# KiCad board demo_matrix2.kicad_pcb (continued)
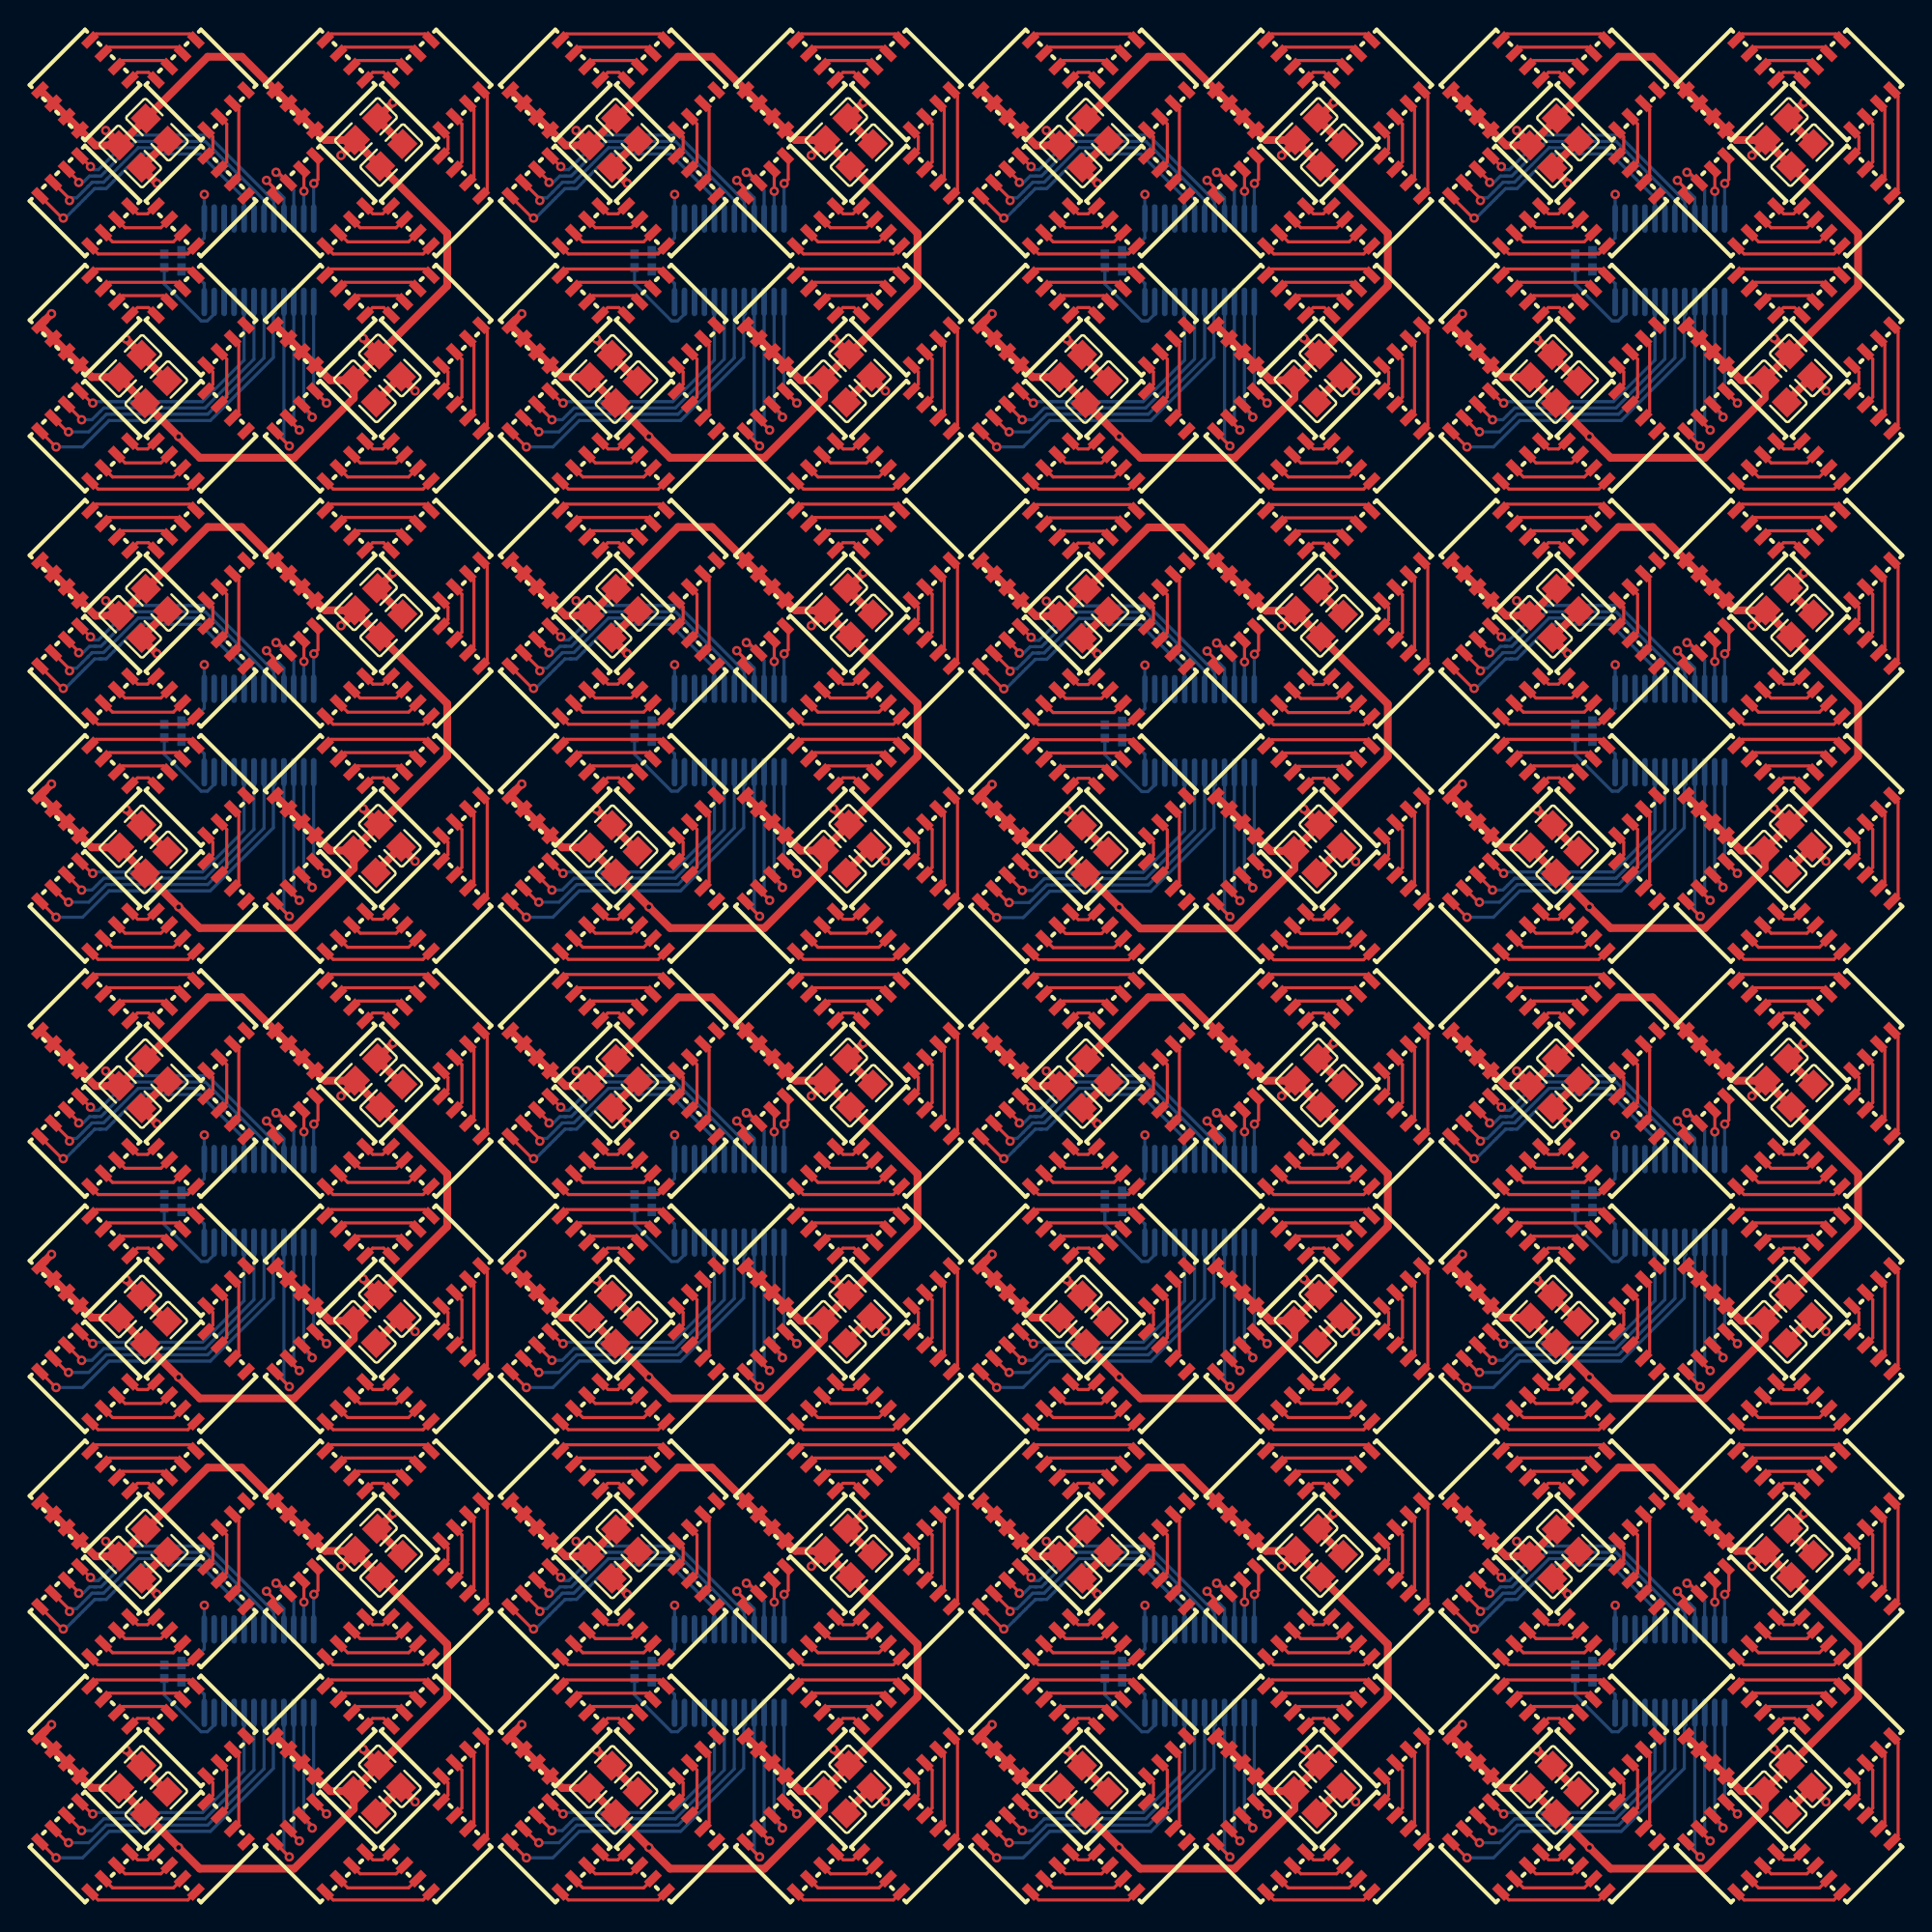
[diagram p0: board, top side]
## Nets (continued)
rgbs[3]-cathodes-cathode-88: LED228.5 U71.7
rgbs[3]-cathodes-cathode-89: LED228.7 U71.8
rgbs[3]-cathodes-cathode-90: LED232.1 U71.9
rgbs[3]-cathodes-cathode-91: LED232.3 U71.10
rgbs[3]-cathodes-cathode-92: LED232.5 U71.11
rgbs[3]-cathodes-cathode-93: LED232.7 U71.12
rgbs[3]-cathodes-cathode-94: LED240.7 U71.13
rgbs[3]-cathodes-cathode-95: LED240.5 U71.14
rgbs[3]-cathodes-cathode-96: LED244.1 U76.5
rgbs[3]-cathodes-cathode-97: LED256.3 U76.15
rgbs[3]-cathodes-cathode-98: LED256.1 U76.16
rgbs[3]-cathodes-cathode-99: LED252.1 U76.17
rgbs[3]-cathodes-cathode-100: LED252.3 U76.18
rgbs[3]-cathodes-cathode-101: LED252.5 U76.19
rgbs[3]-cathodes-cathode-102: LED252.7 U76.20
rgbs[3]-cathodes-cathode-103: LED244.3 U76.6
rgbs[3]-cathodes-cathode-104: LED244.5 U76.7
rgbs[3]-cathodes-cathode-105: LED244.7 U76.8
rgbs[3]-cathodes-cathode-106: LED248.1 U76.9
rgbs[3]-cathodes-cathode-107: LED248.3 U76.10
rgbs[3]-cathodes-cathode-108: LED248.5 U76.11
rgbs[3]-cathodes-cathode-109: LED248.7 U76.12
rgbs[3]-cathodes-cathode-110: LED256.7 U76.13
rgbs[3]-cathodes-cathode-111: LED256.5 U76.14
rgbs[3]-cathodes-cathode-112: LED20.1 U6.5
rgbs[3]-cathodes-cathode-113: LED32.3 U6.15
rgbs[3]-cathodes-cathode-114: LED32.1 U6.16
rgbs[3]-cathodes-cathode-115: LED28.1 U6.17
rgbs[3]-cathodes-cathode-116: LED28.3 U6.18
rgbs[3]-cathodes-cathode-117: LED28.5 U6.19
rgbs[3]-cathodes-cathode-118: LED28.7 U6.20
rgbs[3]-cathodes-cathode-119: LED20.3 U6.6
rgbs[3]-cathodes-cathode-120: LED20.5 U6.7
rgbs[3]-cathodes-cathode-121: LED20.7 U6.8
rgbs[3]-cathodes-cathode-122: LED24.1 U6.9
rgbs[3]-cathodes-cathode-123: LED24.3 U6.10
rgbs[3]-cathodes-cathode-124: LED24.5 U6.11
rgbs[3]-cathodes-cathode-125: LED24.7 U6.12
rgbs[3]-cathodes-cathode-126: LED32.7 U6.13
rgbs[3]-cathodes-cathode-127: LED32.5 U6.14
rgbs[3]-cathodes-cathode-128: LED36.1 U11.5
rgbs[3]-cathodes-cathode-129: LED48.3 U11.15
rgbs[3]-cathodes-cathode-130: LED48.1 U11.16
rgbs[3]-cathodes-cathode-131: LED44.1 U11.17
rgbs[3]-cathodes-cathode-132: LED44.3 U11.18
rgbs[3]-cathodes-cathode-133: LED44.5 U11.19
rgbs[3]-cathodes-cathode-134: LED44.7 U11.20
rgbs[3]-cathodes-cathode-135: LED36.3 U11.6
rgbs[3]-cathodes-cathode-136: LED36.5 U11.7
rgbs[3]-cathodes-cathode-137: LED36.7 U11.8
rgbs[3]-cathodes-cathode-138: LED40.1 U11.9
rgbs[3]-cathodes-cathode-139: LED40.3 U11.10
rgbs[3]-cathodes-cathode-140: LED40.5 U11.11
rgbs[3]-cathodes-cathode-141: LED40.7 U11.12
rgbs[3]-cathodes-cathode-142: LED48.7 U11.13
rgbs[3]-cathodes-cathode-143: LED48.5 U11.14
rgbs[3]-cathodes-cathode-144: LED52.1 U16.5
rgbs[3]-cathodes-cathode-145: LED64.3 U16.15
rgbs[3]-cathodes-cathode-146: LED64.1 U16.16
rgbs[3]-cathodes-cathode-147: LED60.1 U16.17
rgbs[3]-cathodes-cathode-148: LED60.3 U16.18
rgbs[3]-cathodes-cathode-149: LED60.5 U16.19
rgbs[3]-cathodes-cathode-150: LED60.7 U16.20
rgbs[3]-cathodes-cathode-151: LED52.3 U16.6
rgbs[3]-cathodes-cathode-152: LED52.5 U16.7
rgbs[3]-cathodes-cathode-153: LED52.7 U16.8
rgbs[3]-cathodes-cathode-154: LED56.1 U16.9
rgbs[3]-cathodes-cathode-155: LED56.3 U16.10
rgbs[3]-cathodes-cathode-156: LED56.5 U16.11
rgbs[3]-cathodes-cathode-157: LED56.7 U16.12
rgbs[3]-cathodes-cathode-158: LED64.7 U16.13
rgbs[3]-cathodes-cathode-159: LED64.5 U16.14
rgbs[3]-cathodes-cathode-160: LED68.1 U21.5
rgbs[3]-cathodes-cathode-161: LED80.3 U21.15
rgbs[3]-cathodes-cathode-162: LED80.1 U21.16
rgbs[3]-cathodes-cathode-163: LED76.1 U21.17
rgbs[3]-cathodes-cathode-164: LED76.3 U21.18
rgbs[3]-cathodes-cathode-165: LED76.5 U21.19
rgbs[3]-cathodes-cathode-166: LED76.7 U21.20
rgbs[3]-cathodes-cathode-167: LED68.3 U21.6
rgbs[3]-cathodes-cathode-168: LED68.5 U21.7
rgbs[3]-cathodes-cathode-169: LED68.7 U21.8
rgbs[3]-cathodes-cathode-170: LED72.1 U21.9
rgbs[3]-cathodes-cathode-171: LED72.3 U21.10
rgbs[3]-cathodes-cathode-172: LED72.5 U21.11
rgbs[3]-cathodes-cathode-173: LED72.7 U21.12
rgbs[3]-cathodes-cathode-174: LED80.7 U21.13
rgbs[3]-cathodes-cathode-175: LED80.5 U21.14
rgbs[3]-cathodes-cathode-176: LED84.1 U26.5
rgbs[3]-cathodes-cathode-177: LED96.3 U26.15
rgbs[3]-cathodes-cathode-178: LED96.1 U26.16
rgbs[3]-cathodes-cathode-179: LED92.1 U26.17
rgbs[3]-cathodes-cathode-180: LED92.3 U26.18
rgbs[3]-cathodes-cathode-181: LED92.5 U26.19
rgbs[3]-cathodes-cathode-182: LED92.7 U26.20
rgbs[3]-cathodes-cathode-183: LED84.3 U26.6
rgbs[3]-cathodes-cathode-184: LED84.5 U26.7
rgbs[3]-cathodes-cathode-185: LED84.7 U26.8
rgbs[3]-cathodes-cathode-186: LED88.1 U26.9
rgbs[3]-cathodes-cathode-187: LED88.3 U26.10
rgbs[3]-cathodes-cathode-188: LED88.5 U26.11
rgbs[3]-cathodes-cathode-189: LED88.7 U26.12
rgbs[3]-cathodes-cathode-190: LED96.7 U26.13
rgbs[3]-cathodes-cathode-191: LED96.5 U26.14
rgbs[3]-cathodes-cathode-192: LED100.1 U31.5
rgbs[3]-cathodes-cathode-193: LED112.3 U31.15
rgbs[3]-cathodes-cathode-194: LED112.1 U31.16
rgbs[3]-cathodes-cathode-195: LED108.1 U31.17
rgbs[3]-cathodes-cathode-196: LED108.3 U31.18
rgbs[3]-cathodes-cathode-197: LED108.5 U31.19
rgbs[3]-cathodes-cathode-198: LED108.7 U31.20
rgbs[3]-cathodes-cathode-199: LED100.3 U31.6
rgbs[3]-cathodes-cathode-200: LED100.5 U31.7
rgbs[3]-cathodes-cathode-201: LED100.7 U31.8
rgbs[3]-cathodes-cathode-202: LED104.1 U31.9
rgbs[3]-cathodes-cathode-203: LED104.3 U31.10
rgbs[3]-cathodes-cathode-204: LED104.5 U31.11
rgbs[3]-cathodes-cathode-205: LED104.7 U31.12
rgbs[3]-cathodes-cathode-206: LED112.7 U31.13
rgbs[3]-cathodes-cathode-207: LED112.5 U31.14
rgbs[3]-cathodes-cathode-208: LED116.1 U36.5
rgbs[3]-cathodes-cathode-209: LED128.3 U36.15
rgbs[3]-cathodes-cathode-210: LED128.1 U36.16
rgbs[3]-cathodes-cathode-211: LED124.1 U36.17
rgbs[3]-cathodes-cathode-212: LED124.3 U36.18
rgbs[3]-cathodes-cathode-213: LED124.5 U36.19
rgbs[3]-cathodes-cathode-214: LED124.7 U36.20
rgbs[3]-cathodes-cathode-215: LED116.3 U36.6
rgbs[3]-cathodes-cathode-216: LED116.5 U36.7
rgbs[3]-cathodes-cathode-217: LED116.7 U36.8
rgbs[3]-cathodes-cathode-218: LED120.1 U36.9
rgbs[3]-cathodes-cathode-219: LED120.3 U36.10
rgbs[3]-cathodes-cathode-220: LED120.5 U36.11
rgbs[3]-cathodes-cathode-221: LED120.7 U36.12
rgbs[3]-cathodes-cathode-222: LED128.7 U36.13
rgbs[3]-cathodes-cathode-223: LED128.5 U36.14
rgbs[3]-cathodes-cathode-224: LED132.1 U41.5
rgbs[3]-cathodes-cathode-225: LED144.3 U41.15
rgbs[3]-cathodes-cathode-226: LED144.1 U41.16
rgbs[3]-cathodes-cathode-227: LED140.1 U41.17
rgbs[3]-cathodes-cathode-228: LED140.3 U41.18
rgbs[3]-cathodes-cathode-229: LED140.5 U41.19
rgbs[3]-cathodes-cathode-230: LED140.7 U41.20
rgbs[3]-cathodes-cathode-231: LED132.3 U41.6
rgbs[3]-cathodes-cathode-232: LED132.5 U41.7
rgbs[3]-cathodes-cathode-233: LED132.7 U41.8
rgbs[3]-cathodes-cathode-234: LED136.1 U41.9
rgbs[3]-cathodes-cathode-235: LED136.3 U41.10
rgbs[3]-cathodes-cathode-236: LED136.5 U41.11
rgbs[3]-cathodes-cathode-237: LED136.7 U41.12
rgbs[3]-cathodes-cathode-238: LED144.7 U41.13
rgbs[3]-cathodes-cathode-239: LED144.5 U41.14
rgbs[3]-cathodes-cathode-240: LED148.1 U46.5
rgbs[3]-cathodes-cathode-241: LED160.3 U46.15
rgbs[3]-cathodes-cathode-242: LED160.1 U46.16
rgbs[3]-cathodes-cathode-243: LED156.1 U46.17
rgbs[3]-cathodes-cathode-244: LED156.3 U46.18
rgbs[3]-cathodes-cathode-245: LED156.5 U46.19
rgbs[3]-cathodes-cathode-246: LED156.7 U46.20
rgbs[3]-cathodes-cathode-247: LED148.3 U46.6
rgbs[3]-cathodes-cathode-248: LED148.5 U46.7
rgbs[3]-cathodes-cathode-249: LED148.7 U46.8
rgbs[3]-cathodes-cathode-250: LED152.1 U46.9
rgbs[3]-cathodes-cathode-251: LED152.3 U46.10
rgbs[3]-cathodes-cathode-252: LED152.5 U46.11
rgbs[3]-cathodes-cathode-253: LED152.7 U46.12
rgbs[3]-cathodes-cathode-254: LED160.7 U46.13
rgbs[3]-cathodes-cathode-255: LED160.5 U46.14

## Via types
v1: diameter 0.6, hole 0.3, Top to Bottom, 416 vias

## Routing (per net, layer and track width the routed paths; a pad name or vN(x,y) marks a point on that pad's centre or on a via; arc(x,y) is an arc through that point)
clusters[0]-REXT: length 6.2
  Bottom w0.2: U1.23 12.04,97.78 11.61,97.35 11.21,97.35 8.86,99.7 R1.1
clusters[1]-REXT: length 6.2
  Bottom w0.2: R2.1 38.86,99.7 41.21,97.35 41.61,97.35 42.04,97.78 U6.23
clusters[2]-REXT: length 6.2
  Bottom w0.2: U11.23 72.04,97.78 71.61,97.35 71.21,97.35 68.86,99.7 R3.1
clusters[3]-REXT: length 6.2
  Bottom w0.2: U16.23 102.04,97.78 101.61,97.35 101.21,97.35 98.86,99.7 R4.1
clusters[4]-REXT: length 6.2
  Bottom w0.2: R5.1 98.86,69.7 101.21,67.35 101.61,67.35 102.04,67.78 U21.23
clusters[5]-REXT: length 6.2
  Bottom w0.2: R6.1 68.86,69.68 71.21,67.33 71.61,67.33 72.04,67.76 U26.23
clusters[6]-REXT: length 6.2
  Bottom w0.2: U31.23 42.04,67.78 41.61,67.35 41.21,67.35 38.86,69.7 R7.1
clusters[7]-REXT: length 6.2
  Bottom w0.2: R8.1 8.86,69.7 11.21,67.35 11.61,67.35 12.04,67.78 U36.23
clusters[8]-REXT: length 6.2
  Bottom w0.2: U41.23 12.04,37.78 11.61,37.35 11.21,37.35 8.86,39.7 R9.1
clusters[9]-REXT: length 6.2
  Bottom w0.2: R10.1 38.86,39.7 41.21,37.35 41.61,37.35 42.04,37.78 U46.23
clusters[10]-REXT: length 6.2
  Bottom w0.2: R11.1 68.86,39.7 71.21,37.35 71.61,37.35 72.04,37.78 U51.23
clusters[11]-REXT: length 6.2
  Bottom w0.2: R12.1 98.86,39.7 101.21,37.35 101.61,37.35 102.04,37.78 U56.23
clusters[12]-REXT: length 6.2
  Bottom w0.2: R13.1 98.86,9.7 101.21,7.35 101.61,7.35 102.04,7.78 U61.23
clusters[13]-REXT: length 6.2
  Bottom w0.2: R14.1 68.86,9.7 71.21,7.35 71.61,7.35 72.04,7.78 U66.23
clusters[14]-REXT: length 6.2
  Bottom w0.2: U71.23 42.04,7.78 41.61,7.35 41.21,7.35 38.86,9.7 R15.1
clusters[15]-REXT: length 6.2
  Bottom w0.2: U76.23 12.04,7.78 11.61,7.35 11.21,7.35 8.86,9.7 R16.1
decoupling_capacitors[7]-power_shim-GND-0: length 15
  Top w0.5: v1(8.39,106.12) 7.39,107.12 C1.2 7.39,107.14 C2.2 ; C4.2 22.43,110.24 C8.2 22.47,110.3 v1(23.45,111.29) ; v1(6.42,96.2) 7.4,95.22 C3.2 7.4,95.17 C6.2 ; C5.2 22.36,92.21 C7.2 23.96,93.78 v1(24.86,92.88)
decoupling_capacitors[7]-power_shim-GND-1: length 15
  Top w0.5: C92.2 67.39,47.14 C91.2 67.39,47.12 v1(68.39,46.12) ; v1(84.86,32.88) 83.96,33.78 C97.2 82.36,32.21 C95.2 ; C94.2 82.43,50.24 C98.2 82.47,50.3 v1(83.45,51.29) ; C96.2 67.4,35.17 C93.2 67.4,35.22 v1(66.42,36.2)
decoupling_capacitors[7]-power_shim-GND-2: length 15
  Top w0.5: C104.2 112.36,32.21 C106.2 113.96,33.78 v1(114.86,32.88) ; C103.2 112.43,50.24 C107.2 112.47,50.3 v1(113.45,51.29) ; v1(98.39,46.12) 97.39,47.12 C100.2 97.39,47.14 C101.2 ; C105.2 97.4,35.17 C102.2 97.4,35.22 v1(96.42,36.2)
decoupling_capacitors[7]-power_shim-GND-3: length 15
  Top w0.5: C110.2 97.39,17.14 C109.2 97.39,17.12 v1(98.39,16.12) ; C112.2 112.43,20.24 C116.2 112.47,20.3 v1(113.45,21.29) ; C113.2 112.36,2.21 C115.2 113.96,3.78 v1(114.86,2.88) ; v1(96.42,6.2) 97.4,5.22 C111.2 97.4,5.17 C114.2
decoupling_capacitors[7]-power_shim-GND-4: length 15
  Top w0.5: C121.2 82.43,20.24 C125.2 82.47,20.3 v1(83.45,21.29) ; C122.2 82.36,2.21 C124.2 83.96,3.78 v1(84.86,2.88) ; v1(68.39,16.12) 67.39,17.12 C118.2 67.39,17.14 C119.2 ; C123.2 67.4,5.17 C120.2 67.4,5.22 v1(66.42,6.2)
decoupling_capacitors[7]-power_shim-GND-5: length 15
  Top w0.5: v1(54.86,2.88) 53.96,3.78 C133.2 52.36,2.21 C131.2 ; C128.2 37.39,17.14 C127.2 37.39,17.12 v1(38.39,16.12) ; v1(53.45,21.29) 52.47,20.3 C134.2 52.43,20.24 C130.2 ; v1(36.42,6.2) 37.4,5.22 C129.2 37.4,5.17 C132.2
decoupling_capacitors[7]-power_shim-GND-6: length 15
  Top w0.5: C139.2 22.43,20.24 C143.2 22.47,20.3 v1(23.45,21.29) ; v1(24.86,2.88) 23.96,3.78 C142.2 22.36,2.21 C140.2 ; C137.2 7.39,17.14 C136.2 7.39,17.12 v1(8.39,16.12) ; v1(6.42,6.2) 7.4,5.22 C138.2 7.4,5.17 C141.2
decoupling_capacitors[7]-power_shim-GND-7: length 15
  Top w0.5: C11.2 37.39,107.14 C10.2 37.39,107.12 v1(38.39,106.12) ; v1(54.86,92.88) 53.96,93.78 C16.2 52.36,92.21 C14.2 ; C13.2 52.43,110.24 C17.2 52.47,110.3 v1(53.45,111.29) ; v1(36.42,96.2) 37.4,95.22 C12.2 37.4,95.17 C15.2
decoupling_capacitors[7]-power_shim-GND-8: length 15
  Top w0.5: v1(84.86,92.88) 83.96,93.78 C25.2 82.36,92.21 C23.2 ; v1(83.45,111.29) 82.47,110.3 C26.2 82.43,110.24 C22.2 ; C20.2 67.39,107.14 C19.2 67.39,107.12 v1(68.39,106.12) ; v1(66.42,96.2) 67.4,95.22 C21.2 67.4,95.17 C24.2
decoupling_capacitors[7]-power_shim-GND-9: length 15
  Top w0.5: C31.2 112.43,110.24 C35.2 112.47,110.3 v1(113.45,111.29) ; v1(96.42,96.2) 97.4,95.22 C30.2 97.4,95.17 C33.2 ; v1(98.39,106.12) 97.39,107.12 C28.2 97.39,107.14 C29.2 ; C32.2 112.36,92.21 C34.2 113.96,93.78 v1(114.86,92.88)
decoupling_capacitors[7]-power_shim-GND-10: length 15
  Top w0.5: v1(96.42,66.2) 97.4,65.21 C39.2 97.4,65.17 C42.2 ; v1(113.45,81.28) 112.47,80.3 C44.2 112.43,80.24 C40.2 ; C38.2 97.39,77.14 C37.2 97.39,77.12 v1(98.39,76.12) ; v1(114.86,62.88) 113.96,63.78 C43.2 112.36,62.2 C41.2
decoupling_capacitors[7]-power_shim-GND-11: length 15
  Top w0.5: C49.2 82.43,80.21 C53.2 82.47,80.28 v1(83.45,81.26) ; C47.2 67.39,77.11 C46.2 67.39,77.09 v1(68.39,76.1) ; C51.2 67.4,65.14 C48.2 67.4,65.19 v1(66.42,66.17) ; v1(84.86,62.86) 83.96,63.76 C52.2 82.36,62.18 C50.2
decoupling_capacitors[7]-power_shim-GND-12: length 15
  Top w0.5: C59.2 52.36,62.21 C61.2 53.96,63.78 v1(54.86,62.88) ; C60.2 37.4,65.17 C57.2 37.4,65.22 v1(36.42,66.2) ; C56.2 37.39,77.14 C55.2 37.39,77.12 v1(38.39,76.12) ; v1(53.45,81.29) 52.47,80.3 C62.2 52.43,80.24 C58.2
decoupling_capacitors[7]-power_shim-GND-13: length 15
  Top w0.5: C67.2 22.43,80.24 C71.2 22.47,80.3 v1(23.45,81.29) ; v1(6.42,66.2) 7.4,65.22 C66.2 7.4,65.17 C69.2 ; C68.2 22.36,62.21 C70.2 23.96,63.78 v1(24.86,62.88) ; v1(8.39,76.12) 7.39,77.12 C64.2 7.39,77.14 C65.2
decoupling_capacitors[7]-power_shim-GND-14: length 15
  Top w0.5: C76.2 22.43,50.24 C80.2 22.47,50.3 v1(23.45,51.29) ; v1(6.42,36.2) 7.4,35.22 C75.2 7.4,35.17 C78.2 ; C77.2 22.36,32.21 C79.2 23.96,33.78 v1(24.86,32.88) ; C74.2 7.39,47.14 C73.2 7.39,47.12 v1(8.39,46.12)
decoupling_capacitors[7]-power_shim-GND-15: length 15
  Top w0.5: C87.2 37.4,35.17 C84.2 37.4,35.22 v1(36.42,36.2) ; v1(54.86,32.88) 53.96,33.78 C88.2 52.36,32.21 C86.2 ; C83.2 37.39,47.14 C82.2 37.39,47.12 v1(38.39,46.12) ; v1(53.45,51.29) 52.47,50.3 C89.2 52.43,50.24 C85.2
decoupling_capacitors[7]-power_shim-VCC-0: length 98.5
  Top w0.2: LED5.8 LED5.2 ; LED9.8 LED9.2 ; LED1.8 LED1.2 ; LED13.8 LED13.2
  Top w0.5: C8.1 21.02,108.82 C4.1 26.91,102.94 26.91,99.58 C7.1 ; C8.1 19.12,108.89 LED5.2 13.8,114.2 11.63,114.2 C2.1 7.69,110.25 C1.1 ; C8.1 21.02,108.8 v1(20.13,107.91) ; C1.1 5.98,108.64 v1(5.13,109.5) ; C1.1 4.46,108.55 1,112 ; C5.1 20.95,92.42 17.14,88.62 11.12,88.62 v1(9.77,89.97) C6.1 5.99,93.75 C3.1 4.24,93.77 LED9.2 0.93,97.07 v1(1.67,97.81) ; C5.1 19.44,93.57 LED13.2 ; C5.1 20.95,93.62 C7.1 ; C7.1 22.54,95.25 v1(21.55,96.24)
decoupling_capacitors[7]-power_shim-VCC-1: length 98.5
  Top w0.2: LED161.2 LED161.8 ; LED169.8 LED169.2 ; LED165.8 LED165.2 ; LED173.8 LED173.2
  Top w0.5: C98.1 81.02,48.8 v1(80.13,47.91) ; C98.1 81.02,48.82 C94.1 86.91,42.94 86.91,39.58 C97.1 ; C98.1 79.12,48.89 LED165.2 73.8,54.2 71.63,54.2 C92.1 67.69,50.25 C91.1 ; v1(81.55,36.24) 82.54,35.25 C97.1 ; C97.1 80.95,33.62 C95.1 ; C91.1 64.46,48.55 61,52 ; C91.1 65.98,48.64 v1(65.13,49.5) ; C95.1 79.44,33.57 LED173.2 ; C95.1 80.95,32.42 77.14,28.62 71.12,28.62 v1(69.77,29.97) C96.1 65.99,33.75 C93.1 64.24,33.77 LED169.2 60.93,37.07 v1(61.67,37.81)
decoupling_capacitors[7]-power_shim-VCC-2: length 98.5
  Top w0.2: LED177.8 LED177.2 ; LED185.8 LED185.2 ; LED181.8 LED181.2 ; LED189.8 LED189.2
  Top w0.5: LED189.2 109.44,33.57 C104.1 ; v1(95.13,49.5) 95.98,48.64 C100.1 ; v1(91.67,37.81) 90.93,37.07 LED185.2 94.24,33.77 C102.1 95.99,33.75 C105.1 v1(99.77,29.97) 101.12,28.62 107.14,28.62 110.95,32.42 C104.1 ; C104.1 110.95,33.62 C106.1 ; C106.1 112.54,35.25 v1(111.55,36.24) ; C106.1 116.91,39.58 116.91,42.94 C103.1 111.02,48.82 C107.1 ; C107.1 109.12,48.89 LED181.2 103.8,54.2 101.63,54.2 C101.1 97.69,50.25 C100.1 ; C107.1 111.02,48.8 v1(110.13,47.91) ; C100.1 94.46,48.55 91,52
decoupling_capacitors[7]-power_shim-VCC-3: length 98.5
  Top w0.2: LED193.2 LED193.8 ; LED205.8 LED205.2 ; LED201.8 LED201.2 ; LED197.8 LED197.2
  Top w0.5: C113.1 110.95,3.62 C115.1 ; C113.1 110.95,2.42 107.14,-1.38 101.12,-1.38 v1(99.77,-0.03) C114.1 95.99,3.75 C111.1 94.24,3.77 LED201.2 90.93,7.07 v1(91.67,7.81) ; C113.1 109.44,3.57 LED205.2 ; v1(111.55,6.24) 112.54,5.25 C115.1 ; v1(110.13,17.91) 111.02,18.8 C116.1 ; C115.1 116.91,9.58 116.91,12.94 C112.1 111.02,18.82 C116.1 ; C109.1 95.98,18.64 v1(95.13,19.5) ; C109.1 94.46,18.55 91,22 ; C109.1 97.69,20.25 C110.1 101.63,24.2 103.8,24.2 LED197.2 109.12,18.89 C116.1
decoupling_capacitors[7]-power_shim-VCC-4: length 98.5
  Top w0.2: LED209.2 LED209.8 ; LED221.8 LED221.2 ; LED217.8 LED217.2 ; LED213.8 LED213.2
  Top w0.5: v1(61.67,7.81) 60.93,7.07 LED217.2 64.24,3.77 C120.1 65.99,3.75 C123.1 v1(69.77,-0.03) 71.12,-1.38 77.14,-1.38 80.95,2.42 C122.1 ; C122.1 79.44,3.57 LED221.2 ; C122.1 80.95,3.62 C124.1 ; C124.1 82.54,5.25 v1(81.55,6.24) ; C124.1 86.91,9.58 86.91,12.94 C121.1 81.02,18.82 C125.1 ; v1(80.13,17.91) 81.02,18.8 C125.1 ; C125.1 79.12,18.89 LED213.2 73.8,24.2 71.63,24.2 C119.1 67.69,20.25 C118.1 ; 61,22 64.46,18.55 C118.1 ; C118.1 65.98,18.64 v1(65.13,19.5)
decoupling_capacitors[7]-power_shim-VCC-5: length 98.5
  Top w0.2: LED233.8 LED233.2 ; LED225.8 LED225.2 ; LED229.8 LED229.2 ; LED237.8 LED237.2
  Top w0.5: C133.1 56.91,9.58 56.91,12.94 C130.1 51.02,18.82 C134.1 ; C133.1 52.54,5.25 v1(51.55,6.24) ; C133.1 50.95,3.62 C131.1 ; C131.1 50.95,2.42 47.14,-1.38 41.12,-1.38 v1(39.77,-0.03) C132.1 35.99,3.75 C129.1 34.24,3.77 LED233.2 30.93,7.07 v1(31.67,7.81) ; C131.1 49.44,3.57 LED237.2 ; C127.1 34.46,18.55 31,22 ; C127.1 35.98,18.64 v1(35.13,19.5) ; C127.1 37.69,20.25 C128.1 41.63,24.2 43.8,24.2 LED229.2 49.12,18.89 C134.1 ; v1(50.13,17.91) 51.02,18.8 C134.1
decoupling_capacitors[7]-power_shim-VCC-6: length 98.5
  Top w0.2: LED241.8 LED241.2 ; LED253.8 LED253.2 ; LED249.8 LED249.2 ; LED245.8 LED245.2
  Top w0.5: C142.1 22.54,5.25 v1(21.55,6.24) ; C142.1 20.95,3.62 C140.1 ; C142.1 26.91,9.58 26.91,12.94 C139.1 21.02,18.82 C143.1 ; C143.1 19.12,18.89 LED245.2 13.8,24.2 11.63,24.2 C137.1 7.69,20.25 C136.1 ; C143.1 21.02,18.8 v1(20.13,17.91) ; C140.1 19.44,3.57 LED253.2 ; C140.1 20.95,2.42 17.14,-1.38 11.12,-1.38 v1(9.77,-0.03) C141.1 5.99,3.75 C138.1 4.24,3.77 LED249.2 0.93,7.07 v1(1.67,7.81) ; v1(5.13,19.5) 5.98,18.64 C136.1 ; C136.1 4.46,18.55 1,22
decoupling_capacitors[7]-power_shim-VCC-7: length 98.5
  Top w0.2: LED25.8 LED25.2 ; LED17.8 LED17.2 ; LED29.8 LED29.2 ; LED21.8 LED21.2
  Top w0.5: C14.1 50.95,93.62 C16.1 ; C14.1 49.44,93.57 LED29.2 ; C14.1 50.95,92.42 47.14,88.62 41.12,88.62 v1(39.77,89.97) C15.1 35.99,93.75 C12.1 34.24,93.77 LED25.2 30.93,97.07 v1(31.67,97.81) ; v1(51.55,96.24) 52.54,95.25 C16.1 ; C16.1 56.91,99.58 56.91,102.94 C13.1 51.02,108.82 C17.1 ; C10.1 37.69,110.25 C11.1 41.63,114.2 43.8,114.2 LED21.2 49.12,108.89 C17.1 ; C10.1 35.98,108.64 v1(35.13,109.5) ; C10.1 34.46,108.55 31,112 ; v1(50.13,107.91) 51.02,108.8 C17.1
decoupling_capacitors[7]-power_shim-VCC-8: length 98.5
  Top w0.2: LED33.2 LED33.8 ; LED41.8 LED41.2 ; LED37.8 LED37.2 ; LED45.8 LED45.2
  Top w0.5: C19.1 65.98,108.64 v1(65.13,109.5) ; C19.1 67.69,110.25 C20.1 71.63,114.2 73.8,114.2 LED37.2 79.12,108.89 C26.1 ; C19.1 64.46,108.55 61,112 ; C26.1 81.02,108.8 v1(80.13,107.91) ; C26.1 81.02,108.82 C22.1 86.91,102.94 86.91,99.58 C25.1 ; C25.1 80.95,93.62 C23.1 ; C25.1 82.54,95.25 v1(81.55,96.24) ; LED45.2 79.44,93.57 C23.1 ; C23.1 80.95,92.42 77.14,88.62 71.12,88.62 v1(69.77,89.97) C24.1 65.99,93.75 C21.1 64.24,93.77 LED41.2 60.93,97.07 v1(61.67,97.81)
decoupling_capacitors[7]-power_shim-VCC-9: length 98.5
  Top w0.2: LED49.8 LED49.2 ; LED57.8 LED57.2 ; LED53.8 LED53.2 ; LED61.8 LED61.2
  Top w0.5: 91,112 94.46,108.55 C28.1 ; C32.1 110.95,92.42 107.14,88.62 101.12,88.62 v1(99.77,89.97) C33.1 95.99,93.75 C30.1 94.24,93.77 LED57.2 90.93,97.07 v1(91.67,97.81) ; C32.1 109.44,93.57 LED61.2 ; C32.1 110.95,93.62 C34.1 ; C34.1 116.91,99.58 116.91,102.94 C31.1 111.02,108.82 C35.1 ; C34.1 112.54,95.25 v1(111.55,96.24) ; C28.1 97.69,110.25 C29.1 101.63,114.2 103.8,114.2 LED53.2 109.12,108.89 C35.1 ; C28.1 95.98,108.64 v1(95.13,109.5) ; C35.1 111.02,108.8 v1(110.13,107.91)
decoupling_capacitors[7]-power_shim-VCC-10: length 98.5
  Top w0.2: LED69.8 LED69.2 ; LED77.8 LED77.2 ; LED73.8 LED73.2 ; LED65.2 LED65.8
  Top w0.5: C37.1 94.46,78.54 91,82 ; C37.1 97.69,80.25 C38.1 101.63,84.2 103.8,84.2 LED69.2 109.11,78.89 C44.1 ; C37.1 95.98,78.64 v1(95.13,79.5) ; v1(91.67,67.81) 90.93,67.07 LED73.2 94.24,63.77 C39.1 95.99,63.75 C42.1 v1(99.77,59.97) 101.12,58.62 107.14,58.62 110.94,62.42 C41.1 ; C43.1 116.9,69.58 116.9,72.94 C40.1 111.02,78.82 C44.1 ; C43.1 112.54,65.25 v1(111.55,66.24) ; C43.1 110.94,63.62 C41.1 ; C44.1 111.02,78.8 v1(110.13,77.91) ; C41.1 109.44,63.57 LED77.2
decoupling_capacitors[7]-power_shim-VCC-11: length 98.5
  Top w0.2: LED81.8 LED81.2 ; LED89.8 LED89.2 ; LED85.8 LED85.2 ; LED93.8 LED93.2
  Top w0.5: v1(61.67,67.78) 60.93,67.05 LED89.2 64.24,63.74 C48.1 65.99,63.73 C51.1 v1(69.77,59.95) 71.12,58.6 77.14,58.6 80.95,62.4 C50.1 ; C46.1 67.69,80.23 C47.1 71.63,84.17 73.8,84.17 LED85.2 79.12,78.86 C53.1 ; C46.1 64.46,78.52 61,81.98 ; C46.1 65.98,78.62 v1(65.13,79.47) ; v1(81.55,66.22) 82.54,65.23 C52.1 ; C50.1 80.95,63.59 C52.1 ; C50.1 79.44,63.54 LED93.2 ; C52.1 86.91,69.55 86.91,72.91 C49.1 81.02,78.8 C53.1 ; C53.1 81.02,78.77 v1(80.13,77.88)
decoupling_capacitors[7]-power_shim-VCC-12: length 98.5
  Top w0.2: LED109.8 LED109.2 ; LED97.8 LED97.2 ; LED105.8 LED105.2 ; LED101.8 LED101.2
  Top w0.5: C62.1 49.12,78.89 LED101.2 43.8,84.2 41.63,84.2 C56.1 37.69,80.25 C55.1 ; C62.1 51.02,78.82 C58.1 56.91,72.94 56.91,69.58 C61.1 ; C62.1 51.02,78.8 v1(50.13,77.91) ; C61.1 52.54,65.25 v1(51.55,66.24) ; C61.1 50.95,63.62 C59.1 ; v1(35.13,79.5) 35.98,78.64 C55.1 ; C55.1 34.46,78.55 31,82 ; v1(31.67,67.81) 30.93,67.07 LED105.2 34.24,63.77 C57.1 35.99,63.75 C60.1 v1(39.77,59.97) 41.12,58.62 47.14,58.62 50.95,62.42 C59.1 ; C59.1 49.44,63.57 LED109.2
decoupling_capacitors[7]-power_shim-VCC-13: length 98.5
  Top w0.2: LED121.8 LED121.2 ; LED113.2 LED113.8 ; LED125.8 LED125.2 ; LED117.8 LED117.2
  Top w0.5: C70.1 22.54,65.25 v1(21.55,66.24) ; C70.1 26.91,69.58 26.91,72.94 C67.1 21.02,78.82 C71.1 ; C70.1 20.95,63.62 C68.1 ; C68.1 20.95,62.42 17.14,58.62 11.12,58.62 v1(9.77,59.97) C69.1 5.99,63.75 C66.1 4.24,63.77 LED121.2 0.93,67.07 v1(1.67,67.81) ; C68.1 19.44,63.57 LED125.2 ; v1(20.13,77.91) 21.02,78.8 C71.1 ; 1,82 4.46,78.55 C64.1 ; v1(5.13,79.5) 5.98,78.64 C64.1 ; C64.1 7.69,80.25 C65.1 11.63,84.2 13.8,84.2 LED117.2 19.12,78.89 C71.1
decoupling_capacitors[7]-power_shim-VCC-14: length 98.5
  Top w0.2: LED129.8 LED129.2 ; LED137.8 LED137.2 ; LED133.8 LED133.2 ; LED141.8 LED141.2
  Top w0.5: C80.1 21.02,48.82 C76.1 26.91,42.94 26.91,39.58 C79.1 ; C80.1 19.12,48.89 LED133.2 13.8,54.2 11.63,54.2 C74.1 7.69,50.25 C73.1 ; C80.1 21.02,48.8 v1(20.13,47.91) ; C79.1 22.54,35.25 v1(21.55,36.24) ; C79.1 20.95,33.62 C77.1 ; v1(5.13,49.5) 5.98,48.64 C73.1 ; 1,52 4.46,48.55 C73.1 ; C77.1 20.95,32.42 17.14,28.62 11.12,28.62 v1(9.77,29.97) C78.1 5.99,33.75 C75.1 4.24,33.77 LED137.2 0.93,37.07 v1(1.67,37.81) ; C77.1 19.44,33.57 LED141.2
decoupling_capacitors[7]-power_shim-VCC-15: length 98.5
  Top w0.2: LED145.8 LED145.2 ; LED149.8 LED149.2 ; LED153.8 LED153.2 ; LED157.8 LED157.2
  Top w0.5: C82.1 35.98,48.64 v1(35.13,49.5) ; C82.1 34.46,48.55 31,52 ; C82.1 37.69,50.25 C83.1 41.63,54.2 43.8,54.2 LED149.2 49.12,48.89 C89.1 ; C88.1 50.95,33.62 C86.1 ; C88.1 52.54,35.25 v1(51.55,36.24) ; C88.1 56.91,39.58 56.91,42.94 C85.1 51.02,48.82 C89.1 ; v1(31.67,37.81) 30.93,37.07 LED153.2 34.24,33.77 C84.1 35.99,33.75 C87.1 v1(39.77,29.97) 41.12,28.62 47.14,28.62 50.95,32.42 C86.1 ; C86.1 49.44,33.57 LED157.2 ; C89.1 51.02,48.8 v1(50.13,47.91)
driver-power-GND-0: length 5.8
  Bottom w0.2: R1.2 9.84,101.61 C9.2 10.51,101.73 11.41,102.63 U1.1 11.41,105.41 v1(11.41,105.42)
driver-power-GND-1: length 5.8
  Bottom w0.2: R11.2 69.84,41.61 C99.2 70.51,41.73 71.41,42.63 U51.1 71.41,45.41 v1(71.41,45.42)
driver-power-GND-2: length 5.8
  Bottom w0.2: R12.2 99.84,41.61 C108.2 100.51,41.73 101.41,42.63 U56.1 101.41,45.41 v1(101.41,45.42)
driver-power-GND-3: length 5.8
  Bottom w0.2: R13.2 99.84,11.61 C117.2 100.51,11.73 101.41,12.63 U61.1 101.41,15.41 v1(101.41,15.42)
driver-power-GND-4: length 5.8
  Bottom w0.2: v1(71.41,15.42) 71.41,15.41 U66.1 71.41,12.63 70.51,11.73 C126.2 69.84,11.61 R14.2
driver-power-GND-5: length 5.8
  Bottom w0.2: R15.2 39.84,11.61 C135.2 40.51,11.73 41.41,12.63 U71.1 41.41,15.41 v1(41.41,15.42)
driver-power-GND-6: length 5.8
  Bottom w0.2: v1(11.41,15.42) 11.41,15.41 U76.1 11.41,12.63 10.51,11.73 C144.2 9.84,11.61 R16.2
driver-power-GND-7: length 5.8
  Bottom w0.2: R2.2 39.84,101.61 C18.2 40.51,101.73 41.41,102.63 U6.1 41.41,105.41 v1(41.41,105.42)
driver-power-GND-8: length 5.8
  Bottom w0.2: v1(71.41,105.42) 71.41,105.41 U11.1 71.41,102.63 70.51,101.73 C27.2 69.84,101.61 R3.2
driver-power-GND-9: length 5.8
  Bottom w0.2: v1(101.41,105.42) 101.41,105.41 U16.1 101.41,102.63 100.51,101.73 C36.2 99.84,101.61 R4.2
driver-power-GND-10: length 5.8
  Bottom w0.2: R5.2 99.84,71.61 C45.2 100.51,71.73 101.41,72.63 U21.1 101.41,75.41 v1(101.41,75.42)